# Altium PCB mantarray_beta2_sensor.PcbDoc (part 3 of 5) (continued)
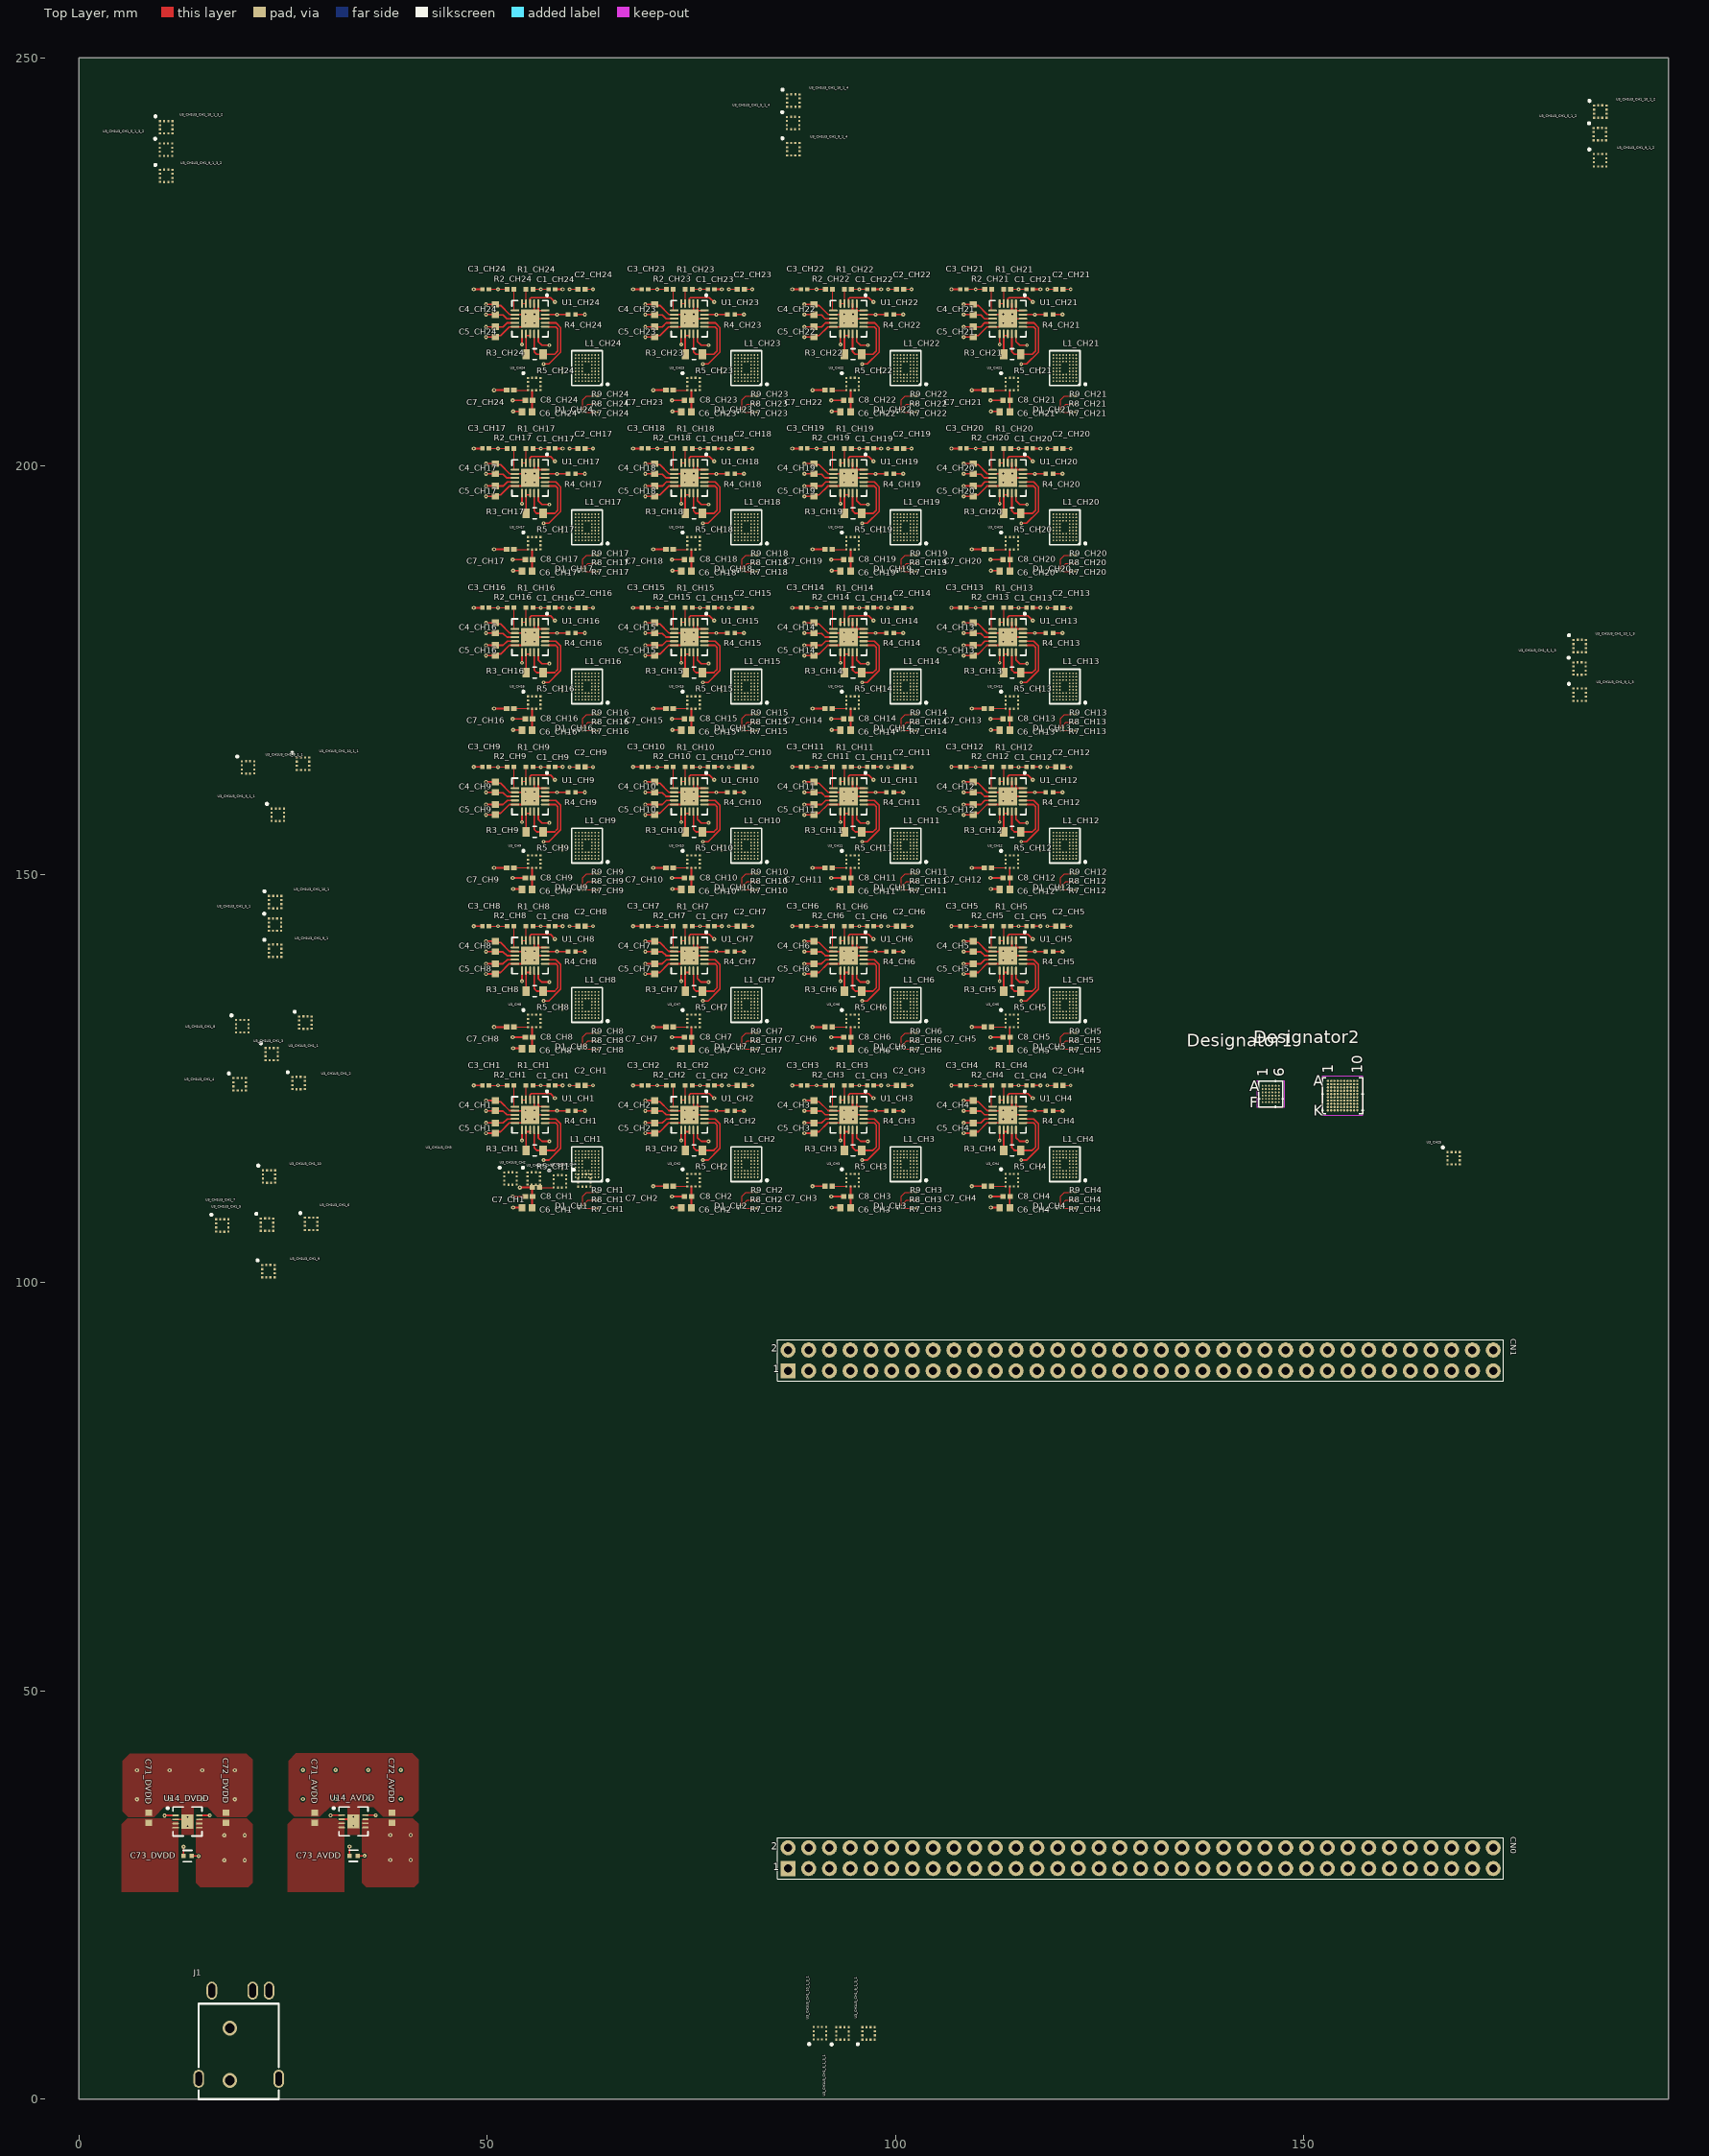
[diagram p0: Top Layer view]
## Nets (pads, with @x,y where several pads share a name; then routed paths per layer and width w, separated by ;. In a path a pad name is that pad's centre, name@x,y a point inside that pad or via, vN(x,y) a via of type N, cw(c..) or ccw(c..) an arc to the next point about the centre after c; other vN are vias at no path point) (continued)
L1_CH18.G1 L1_CH18.G2 L1_CH18.G3 L1_CH18.G4 L1_CH18.G5 L1_CH18.G6 L1_CH18.G7 L1_CH18.G8 L1_CH18.H1 L1_CH18.H2 L1_CH18.H3 L1_CH18.H4 L1_CH18.H5 L1_CH18.H6 L1_CH18.H7 L1_CH18.H8 L1_CH18.J1 L1_CH18.J2 L1_CH18.J3 L1_CH18.J4 L1_CH18.J5 L1_CH18.J6 L1_CH18.J7 L1_CH18.J8 L1_CH19.A1 L1_CH19.A2 L1_CH19.A3 L1_CH19.A4 L1_CH19.A5 L1_CH19.A6 L1_CH19.A7 L1_CH19.A8 L1_CH19.B1 L1_CH19.B2 L1_CH19.B3 L1_CH19.B4 L1_CH19.B5 L1_CH19.B6 L1_CH19.B7 L1_CH19.B8 L1_CH19.C1 L1_CH19.C2 L1_CH19.C3 L1_CH19.C4 L1_CH19.C5 L1_CH19.C6 L1_CH19.C7 L1_CH19.C8 L1_CH19.D1 L1_CH19.D2 L1_CH19.D3 L1_CH19.D6 L1_CH19.D7 L1_CH19.D8 L1_CH19.E1 L1_CH19.E2 L1_CH19.E3 L1_CH19.E6 L1_CH19.E7 L1_CH19.E8 L1_CH19.F1 L1_CH19.F2 L1_CH19.F3 L1_CH19.F6 L1_CH19.F7 L1_CH19.F8 L1_CH19.G1 L1_CH19.G2 L1_CH19.G3 L1_CH19.G4 L1_CH19.G5 L1_CH19.G6 L1_CH19.G7 L1_CH19.G8 L1_CH19.H1 L1_CH19.H2 L1_CH19.H3 L1_CH19.H4 L1_CH19.H5 L1_CH19.H6 L1_CH19.H7 L1_CH19.H8 L1_CH19.J1 L1_CH19.J2 L1_CH19.J3 L1_CH19.J4 L1_CH19.J5 L1_CH19.J6 L1_CH19.J7 L1_CH19.J8 L1_CH20.A1 L1_CH20.A2 L1_CH20.A3 L1_CH20.A4 L1_CH20.A5 L1_CH20.A6 L1_CH20.A7 L1_CH20.A8 L1_CH20.B1 L1_CH20.B2 L1_CH20.B3 L1_CH20.B4 L1_CH20.B5 L1_CH20.B6 L1_CH20.B7 L1_CH20.B8 L1_CH20.C1 L1_CH20.C2 L1_CH20.C3 L1_CH20.C4 L1_CH20.C5 L1_CH20.C6 L1_CH20.C7 L1_CH20.C8 L1_CH20.D1 L1_CH20.D2 L1_CH20.D3 L1_CH20.D6 L1_CH20.D7 L1_CH20.D8 L1_CH20.E1 L1_CH20.E2 L1_CH20.E3 L1_CH20.E6 L1_CH20.E7 L1_CH20.E8 L1_CH20.F1 L1_CH20.F2 L1_CH20.F3 L1_CH20.F6 L1_CH20.F7 L1_CH20.F8 L1_CH20.G1 L1_CH20.G2 L1_CH20.G3 L1_CH20.G4 L1_CH20.G5 L1_CH20.G6 L1_CH20.G7 L1_CH20.G8 L1_CH20.H1 L1_CH20.H2 L1_CH20.H3 L1_CH20.H4 L1_CH20.H5 L1_CH20.H6 L1_CH20.H7 L1_CH20.H8 L1_CH20.J1 L1_CH20.J2 L1_CH20.J3 L1_CH20.J4 L1_CH20.J5 L1_CH20.J6 L1_CH20.J7 L1_CH20.J8 L1_CH21.A1 L1_CH21.A2 L1_CH21.A3 L1_CH21.A4 L1_CH21.A5 L1_CH21.A6 L1_CH21.A7 L1_CH21.A8 L1_CH21.B1 L1_CH21.B2 L1_CH21.B3 L1_CH21.B4 L1_CH21.B5 L1_CH21.B6 L1_CH21.B7 L1_CH21.B8 L1_CH21.C1 L1_CH21.C2 L1_CH21.C3 L1_CH21.C4 L1_CH21.C5 L1_CH21.C6 L1_CH21.C7 L1_CH21.C8 L1_CH21.D1 L1_CH21.D2 L1_CH21.D3 L1_CH21.D6 L1_CH21.D7 L1_CH21.D8 L1_CH21.E1 L1_CH21.E2 L1_CH21.E3 L1_CH21.E6 L1_CH21.E7 L1_CH21.E8 L1_CH21.F1 L1_CH21.F2 L1_CH21.F3 L1_CH21.F6 L1_CH21.F7 L1_CH21.F8 L1_CH21.G1 L1_CH21.G2 L1_CH21.G3 L1_CH21.G4 L1_CH21.G5 L1_CH21.G6 L1_CH21.G7 L1_CH21.G8 L1_CH21.H1 L1_CH21.H2 L1_CH21.H3 L1_CH21.H4 L1_CH21.H5 L1_CH21.H6 L1_CH21.H7 L1_CH21.H8 L1_CH21.J1 L1_CH21.J2 L1_CH21.J3 L1_CH21.J4 L1_CH21.J5 L1_CH21.J6 L1_CH21.J7 L1_CH21.J8 L1_CH22.A1 L1_CH22.A2 L1_CH22.A3 L1_CH22.A4 L1_CH22.A5 L1_CH22.A6 L1_CH22.A7 L1_CH22.A8 L1_CH22.B1 L1_CH22.B2 L1_CH22.B3 L1_CH22.B4 L1_CH22.B5 L1_CH22.B6 L1_CH22.B7 L1_CH22.B8 L1_CH22.C1 L1_CH22.C2 L1_CH22.C3 L1_CH22.C4 L1_CH22.C5 L1_CH22.C6 L1_CH22.C7 L1_CH22.C8 L1_CH22.D1 L1_CH22.D2 L1_CH22.D3 L1_CH22.D6 L1_CH22.D7 L1_CH22.D8 L1_CH22.E1 L1_CH22.E2 L1_CH22.E3 L1_CH22.E6 L1_CH22.E7 L1_CH22.E8 L1_CH22.F1 L1_CH22.F2 L1_CH22.F3 L1_CH22.F6 L1_CH22.F7 L1_CH22.F8 L1_CH22.G1 L1_CH22.G2 L1_CH22.G3 L1_CH22.G4 L1_CH22.G5 L1_CH22.G6 L1_CH22.G7 L1_CH22.G8 L1_CH22.H1 L1_CH22.H2 L1_CH22.H3 L1_CH22.H4 L1_CH22.H5 L1_CH22.H6 L1_CH22.H7 L1_CH22.H8 L1_CH22.J1 L1_CH22.J2 L1_CH22.J3 L1_CH22.J4 L1_CH22.J5 L1_CH22.J6 L1_CH22.J7 L1_CH22.J8 L1_CH23.A1 L1_CH23.A2 L1_CH23.A3 L1_CH23.A4 L1_CH23.A5 L1_CH23.A6 L1_CH23.A7 L1_CH23.A8 L1_CH23.B1 L1_CH23.B2 L1_CH23.B3 L1_CH23.B4 L1_CH23.B5 L1_CH23.B6 L1_CH23.B7 L1_CH23.B8 L1_CH23.C1 L1_CH23.C2 L1_CH23.C3 L1_CH23.C4 L1_CH23.C5 L1_CH23.C6 L1_CH23.C7 L1_CH23.C8 L1_CH23.D1 L1_CH23.D2 L1_CH23.D3 L1_CH23.D6 L1_CH23.D7 L1_CH23.D8 L1_CH23.E1 L1_CH23.E2 L1_CH23.E3 L1_CH23.E6 L1_CH23.E7 L1_CH23.E8 L1_CH23.F1 L1_CH23.F2 L1_CH23.F3 L1_CH23.F6 L1_CH23.F7 L1_CH23.F8 L1_CH23.G1 L1_CH23.G2 L1_CH23.G3 L1_CH23.G4 L1_CH23.G5 L1_CH23.G6 L1_CH23.G7 L1_CH23.G8 L1_CH23.H1 L1_CH23.H2 L1_CH23.H3 L1_CH23.H4 L1_CH23.H5 L1_CH23.H6 L1_CH23.H7 L1_CH23.H8 L1_CH23.J1 L1_CH23.J2 L1_CH23.J3 L1_CH23.J4 L1_CH23.J5 L1_CH23.J6 L1_CH23.J7 L1_CH23.J8 L1_CH24.A1 L1_CH24.A2 L1_CH24.A3 L1_CH24.A4 L1_CH24.A5 L1_CH24.A6 L1_CH24.A7 L1_CH24.A8 L1_CH24.B1 L1_CH24.B2 L1_CH24.B3 L1_CH24.B4 L1_CH24.B5 L1_CH24.B6 L1_CH24.B7 L1_CH24.B8 L1_CH24.C1 L1_CH24.C2 L1_CH24.C3 L1_CH24.C4 L1_CH24.C5 L1_CH24.C6 L1_CH24.C7 L1_CH24.C8 L1_CH24.D1 L1_CH24.D2 L1_CH24.D3 L1_CH24.D6 L1_CH24.D7 L1_CH24.D8 L1_CH24.E1 L1_CH24.E2 L1_CH24.E3 L1_CH24.E6 L1_CH24.E7 L1_CH24.E8 L1_CH24.F1 L1_CH24.F2 L1_CH24.F3 L1_CH24.F6 L1_CH24.F7 L1_CH24.F8 L1_CH24.G1 L1_CH24.G2 L1_CH24.G3 L1_CH24.G4 L1_CH24.G5 L1_CH24.G6 L1_CH24.G7 L1_CH24.G8 L1_CH24.H1 L1_CH24.H2 L1_CH24.H3 L1_CH24.H4 L1_CH24.H5 L1_CH24.H6 L1_CH24.H7 L1_CH24.H8 L1_CH24.J1 L1_CH24.J2 L1_CH24.J3 L1_CH24.J4 L1_CH24.J5 L1_CH24.J6 L1_CH24.J7 L1_CH24.J8 R1_CH1.1 R1_CH1.2 R1_CH2.1 R1_CH2.2 R1_CH3.1 R1_CH3.2 R1_CH4.1 R1_CH4.2 R1_CH5.1 R1_CH5.2 R1_CH6.1 R1_CH6.2 R1_CH7.1 R1_CH7.2 R1_CH8.1 R1_CH8.2 R1_CH9.1 R1_CH9.2 R1_CH10.1 R1_CH10.2 R1_CH11.1 R1_CH11.2 R1_CH12.1 R1_CH12.2 R1_CH13.1 R1_CH13.2 R1_CH14.1 R1_CH14.2 R1_CH15.1 R1_CH15.2 R1_CH16.1 R1_CH16.2 R1_CH17.1 R1_CH17.2 R1_CH18.1 R1_CH18.2 R1_CH19.1 R1_CH19.2 R1_CH20.1 R1_CH20.2 R1_CH21.1 R1_CH21.2 R1_CH22.1 R1_CH22.2 R1_CH23.1 R1_CH23.2 R1_CH24.1 R1_CH24.2 R2_CH1.1 R2_CH1.2 R2_CH2.1 R2_CH2.2 R2_CH3.1 R2_CH3.2 R2_CH4.1 R2_CH4.2 R2_CH5.1 R2_CH5.2 R2_CH6.1 R2_CH6.2 R2_CH7.1 R2_CH7.2 R2_CH8.1 R2_CH8.2 R2_CH9.1 R2_CH9.2 R2_CH10.1 R2_CH10.2 R2_CH11.1 R2_CH11.2 R2_CH12.1 R2_CH12.2 R2_CH13.1 R2_CH13.2 R2_CH14.1 R2_CH14.2 R2_CH15.1 R2_CH15.2 R2_CH16.1 R2_CH16.2 R2_CH17.1 R2_CH17.2 R2_CH18.1 R2_CH18.2 R2_CH19.1 R2_CH19.2 R2_CH20.1 R2_CH20.2 R2_CH21.1 R2_CH21.2 R2_CH22.1 R2_CH22.2 R2_CH23.1 R2_CH23.2 R2_CH24.1 R2_CH24.2 R3_CH1.1 R3_CH1.2 R3_CH2.1 R3_CH2.2 R3_CH3.1 R3_CH3.2 R3_CH4.1 R3_CH4.2 R3_CH5.1 R3_CH5.2 R3_CH6.1 R3_CH6.2 R3_CH7.1 R3_CH7.2 R3_CH8.1 R3_CH8.2 R3_CH9.1 R3_CH9.2 R3_CH10.1 R3_CH10.2 R3_CH11.1 R3_CH11.2 R3_CH12.1 R3_CH12.2 R3_CH13.1 R3_CH13.2 R3_CH14.1 R3_CH14.2 R3_CH15.1 R3_CH15.2 R3_CH16.1 R3_CH16.2 R3_CH17.1 R3_CH17.2 R3_CH18.1 R3_CH18.2 R3_CH19.1 R3_CH19.2 R3_CH20.1 R3_CH20.2 R3_CH21.1 R3_CH21.2 R3_CH22.1 R3_CH22.2 R3_CH23.1 R3_CH23.2 R3_CH24.1 R3_CH24.2 R4_CH1.1 R4_CH1.2 R4_CH2.1 R4_CH2.2 R4_CH3.1 R4_CH3.2 R4_CH4.1 R4_CH4.2 R4_CH5.1 R4_CH5.2 R4_CH6.1 R4_CH6.2 R4_CH7.1 R4_CH7.2 R4_CH8.1 R4_CH8.2 R4_CH9.1 R4_CH9.2 R4_CH10.1 R4_CH10.2 R4_CH11.1 R4_CH11.2 R4_CH12.1 R4_CH12.2 R4_CH13.1 R4_CH13.2 R4_CH14.1 R4_CH14.2 R4_CH15.1 R4_CH15.2 R4_CH16.1 R4_CH16.2 R4_CH17.1 R4_CH17.2 R4_CH18.1 R4_CH18.2 R4_CH19.1 R4_CH19.2 R4_CH20.1 R4_CH20.2 R4_CH21.1 R4_CH21.2 R4_CH22.1 R4_CH22.2 R4_CH23.1 R4_CH23.2 R4_CH24.1 R4_CH24.2 R5_CH1.1 R5_CH1.2 R5_CH2.1 R5_CH2.2 R5_CH3.1 R5_CH3.2 R5_CH4.1 R5_CH4.2 R5_CH5.1 R5_CH5.2 R5_CH6.1 R5_CH6.2 R5_CH7.1 R5_CH7.2 R5_CH8.1 R5_CH8.2 R5_CH9.1 R5_CH9.2 R5_CH10.1 R5_CH10.2 R5_CH11.1 R5_CH11.2 R5_CH12.1 R5_CH12.2 R5_CH13.1 R5_CH13.2 R5_CH14.1 R5_CH14.2 R5_CH15.1 R5_CH15.2 R5_CH16.1 R5_CH16.2 R5_CH17.1 R5_CH17.2 R5_CH18.1 R5_CH18.2 R5_CH19.1 R5_CH19.2 R5_CH20.1 R5_CH20.2 R5_CH21.1 R5_CH21.2 R5_CH22.1 R5_CH22.2 R5_CH23.1 R5_CH23.2 R5_CH24.1 R5_CH24.2 R7_CH1.1 R7_CH1.2 R7_CH2.1 R7_CH2.2 R7_CH3.1 R7_CH3.2 R7_CH4.1 R7_CH4.2 R7_CH5.1 R7_CH5.2 R7_CH6.1 R7_CH6.2 R7_CH7.1 R7_CH7.2 R7_CH8.1 R7_CH8.2 R7_CH9.1 R7_CH9.2 R7_CH10.1 R7_CH10.2 R7_CH11.1 R7_CH11.2 R7_CH12.1 R7_CH12.2 R7_CH13.1 R7_CH13.2 R7_CH14.1 R7_CH14.2 R7_CH15.1 R7_CH15.2 R7_CH16.1 R7_CH16.2 R7_CH17.1 R7_CH17.2 R7_CH18.1 R7_CH18.2 R7_CH19.1 R7_CH19.2 R7_CH20.1 R7_CH20.2 R7_CH21.1 R7_CH21.2 R7_CH22.1 R7_CH22.2 R7_CH23.1 R7_CH23.2 R7_CH24.1 R7_CH24.2 R8_CH1.1 R8_CH1.2 R8_CH2.1 R8_CH2.2 R8_CH3.1 R8_CH3.2 R8_CH4.1 R8_CH4.2 R8_CH5.1 R8_CH5.2 R8_CH6.1 R8_CH6.2 R8_CH7.1 R8_CH7.2 R8_CH8.1 R8_CH8.2 R8_CH9.1 R8_CH9.2 R8_CH10.1 R8_CH10.2 R8_CH11.1 R8_CH11.2 R8_CH12.1 R8_CH12.2 R8_CH13.1 R8_CH13.2 R8_CH14.1 R8_CH14.2 R8_CH15.1 R8_CH15.2 R8_CH16.1 R8_CH16.2 R8_CH17.1 R8_CH17.2 R8_CH18.1 R8_CH18.2 R8_CH19.1 R8_CH19.2 R8_CH20.1 R8_CH20.2 R8_CH21.1 R8_CH21.2 R8_CH22.1 R8_CH22.2 R8_CH23.1 R8_CH23.2 R8_CH24.1 R8_CH24.2 R9_CH1.1 R9_CH1.2 R9_CH2.1 R9_CH2.2 R9_CH3.1 R9_CH3.2 R9_CH4.1 R9_CH4.2 R9_CH5.1 R9_CH5.2 R9_CH6.1 R9_CH6.2 R9_CH7.1 R9_CH7.2 R9_CH8.1 R9_CH8.2 R9_CH9.1 R9_CH9.2 R9_CH10.1 R9_CH10.2 R9_CH11.1 R9_CH11.2 R9_CH12.1 R9_CH12.2 R9_CH13.1 R9_CH13.2 R9_CH14.1 R9_CH14.2 R9_CH15.1 R9_CH15.2 R9_CH16.1 R9_CH16.2 R9_CH17.1 R9_CH17.2 R9_CH18.1 R9_CH18.2 R9_CH19.1 R9_CH19.2 R9_CH20.1 R9_CH20.2 R9_CH21.1 R9_CH21.2 R9_CH22.1 R9_CH22.2 R9_CH23.1 R9_CH23.2 R9_CH24.1 R9_CH24.2 U1_CH1.1 U1_CH1.2 U1_CH1.3 U1_CH1.4 U1_CH1.5 U1_CH1.6 U1_CH1.7 U1_CH1.8 U1_CH1.9 U1_CH1.10 U1_CH1.11 U1_CH1.12 U1_CH1.13 U1_CH1.14 U1_CH1.15 U1_CH1.16 U1_CH1.17 U1_CH1.18 U1_CH1.19 U1_CH1.20 U1_CH1.21 U1_CH2.1 U1_CH2.2 U1_CH2.3 U1_CH2.4 U1_CH2.5 U1_CH2.6 U1_CH2.7 U1_CH2.8 U1_CH2.9 U1_CH2.10 U1_CH2.11 U1_CH2.12 U1_CH2.13 U1_CH2.14 U1_CH2.15 U1_CH2.16 U1_CH2.17 U1_CH2.18 U1_CH2.19 U1_CH2.20 U1_CH2.21 U1_CH3.1 U1_CH3.2 U1_CH3.3 U1_CH3.4 U1_CH3.5 U1_CH3.6 U1_CH3.7 U1_CH3.8 U1_CH3.9 U1_CH3.10 U1_CH3.11 U1_CH3.12 U1_CH3.13 U1_CH3.14 U1_CH3.15 U1_CH3.16 U1_CH3.17 U1_CH3.18 U1_CH3.19 U1_CH3.20 U1_CH3.21 U1_CH4.1 U1_CH4.2 U1_CH4.3 U1_CH4.4 U1_CH4.5 U1_CH4.6 U1_CH4.7 U1_CH4.8 U1_CH4.9 U1_CH4.10 U1_CH4.11 U1_CH4.12 U1_CH4.13 U1_CH4.14 U1_CH4.15 U1_CH4.16 U1_CH4.17 U1_CH4.18 U1_CH4.19 U1_CH4.20 U1_CH4.21 U1_CH5.1 U1_CH5.2 U1_CH5.3 U1_CH5.4 U1_CH5.5 U1_CH5.6 U1_CH5.7 U1_CH5.8 U1_CH5.9 U1_CH5.10 U1_CH5.11 U1_CH5.12 U1_CH5.13 U1_CH5.14 U1_CH5.15 U1_CH5.16 U1_CH5.17 U1_CH5.18 U1_CH5.19 U1_CH5.20 U1_CH5.21 U1_CH6.1 U1_CH6.2 U1_CH6.3 U1_CH6.4 U1_CH6.5 U1_CH6.6 U1_CH6.7 U1_CH6.8 U1_CH6.9 U1_CH6.10 U1_CH6.11 U1_CH6.12 U1_CH6.13 U1_CH6.14 U1_CH6.15 U1_CH6.16 U1_CH6.17 U1_CH6.18 U1_CH6.19 U1_CH6.20 U1_CH6.21 U1_CH7.1 U1_CH7.2 U1_CH7.3 U1_CH7.4 U1_CH7.5 U1_CH7.6 U1_CH7.7 U1_CH7.8 U1_CH7.9 U1_CH7.10 U1_CH7.11 U1_CH7.12 U1_CH7.13 U1_CH7.14 U1_CH7.15 U1_CH7.16 U1_CH7.17 U1_CH7.18 U1_CH7.19 U1_CH7.20 U1_CH7.21 U1_CH8.1 U1_CH8.2 U1_CH8.3 U1_CH8.4 U1_CH8.5 U1_CH8.6 U1_CH8.7 U1_CH8.8 U1_CH8.9 U1_CH8.10 U1_CH8.11 U1_CH8.12 U1_CH8.13 U1_CH8.14 U1_CH8.15 U1_CH8.16 U1_CH8.17 U1_CH8.18 U1_CH8.19 U1_CH8.20 U1_CH8.21 U1_CH9.1 U1_CH9.2 U1_CH9.3 U1_CH9.4 U1_CH9.5 U1_CH9.6 U1_CH9.7 U1_CH9.8 U1_CH9.9 U1_CH9.10 U1_CH9.11 U1_CH9.12 U1_CH9.13 U1_CH9.14 U1_CH9.15 U1_CH9.16 U1_CH9.17 U1_CH9.18 U1_CH9.19 U1_CH9.20 U1_CH9.21 U1_CH10.1 U1_CH10.2 U1_CH10.3 U1_CH10.4 U1_CH10.5 U1_CH10.6 U1_CH10.7 U1_CH10.8 U1_CH10.9 U1_CH10.10 U1_CH10.11 U1_CH10.12 U1_CH10.13 U1_CH10.14 U1_CH10.15 U1_CH10.16 U1_CH10.17 U1_CH10.18 U1_CH10.19 U1_CH10.20 U1_CH10.21 U1_CH11.1 U1_CH11.2 U1_CH11.3 U1_CH11.4 U1_CH11.5 U1_CH11.6 U1_CH11.7 U1_CH11.8 U1_CH11.9 U1_CH11.10 U1_CH11.11 U1_CH11.12 U1_CH11.13 U1_CH11.14 U1_CH11.15 U1_CH11.16 U1_CH11.17 U1_CH11.18 U1_CH11.19 U1_CH11.20 U1_CH11.21 U1_CH12.1 U1_CH12.2 U1_CH12.3 U1_CH12.4 U1_CH12.5 U1_CH12.6 U1_CH12.7 U1_CH12.8 U1_CH12.9 U1_CH12.10 U1_CH12.11 U1_CH12.12 U1_CH12.13 U1_CH12.14 U1_CH12.15 U1_CH12.16 U1_CH12.17 U1_CH12.18 U1_CH12.19 U1_CH12.20 U1_CH12.21 U1_CH13.1 U1_CH13.2 U1_CH13.3 U1_CH13.4 U1_CH13.5 U1_CH13.6 U1_CH13.7 U1_CH13.8 U1_CH13.9 U1_CH13.10 U1_CH13.11 U1_CH13.12 U1_CH13.13 U1_CH13.14 U1_CH13.15 U1_CH13.16 U1_CH13.17 U1_CH13.18 U1_CH13.19 U1_CH13.20 U1_CH13.21 U1_CH14.1 U1_CH14.2 U1_CH14.3 U1_CH14.4 U1_CH14.5 U1_CH14.6 U1_CH14.7 U1_CH14.8 U1_CH14.9 U1_CH14.10 U1_CH14.11 U1_CH14.12 U1_CH14.13 U1_CH14.14 U1_CH14.15 U1_CH14.16 U1_CH14.17 U1_CH14.18 U1_CH14.19 U1_CH14.20 U1_CH14.21 U1_CH15.1 U1_CH15.2 U1_CH15.3 U1_CH15.4 U1_CH15.5 U1_CH15.6 U1_CH15.7 U1_CH15.8 U1_CH15.9 U1_CH15.10 U1_CH15.11 U1_CH15.12 U1_CH15.13 U1_CH15.14 U1_CH15.15 U1_CH15.16 U1_CH15.17 U1_CH15.18 U1_CH15.19 U1_CH15.20 U1_CH15.21 U1_CH16.1 U1_CH16.2 U1_CH16.3 U1_CH16.4 U1_CH16.5 U1_CH16.6 U1_CH16.7 U1_CH16.8 U1_CH16.9 U1_CH16.10 U1_CH16.11 U1_CH16.12 U1_CH16.13 U1_CH16.14 U1_CH16.15 U1_CH16.16 U1_CH16.17 U1_CH16.18 U1_CH16.19 U1_CH16.20 U1_CH16.21 U1_CH17.1 U1_CH17.2 U1_CH17.3 U1_CH17.4 U1_CH17.5 U1_CH17.6 U1_CH17.7 U1_CH17.8 U1_CH17.9 U1_CH17.10 U1_CH17.11 U1_CH17.12 U1_CH17.13 U1_CH17.14 U1_CH17.15 U1_CH17.16 U1_CH17.17 U1_CH17.18 U1_CH17.19 U1_CH17.20 U1_CH17.21 U1_CH18.1 U1_CH18.2 U1_CH18.3 U1_CH18.4 U1_CH18.5 U1_CH18.6 U1_CH18.7 U1_CH18.8 U1_CH18.9 U1_CH18.10 U1_CH18.11 U1_CH18.12 U1_CH18.13 U1_CH18.14 U1_CH18.15 U1_CH18.16 U1_CH18.17 U1_CH18.18 U1_CH18.19 U1_CH18.20 U1_CH18.21 U1_CH19.1 U1_CH19.2 U1_CH19.3 U1_CH19.4 U1_CH19.5 U1_CH19.6 U1_CH19.7 U1_CH19.8 U1_CH19.9 U1_CH19.10 U1_CH19.11 U1_CH19.12 U1_CH19.13 U1_CH19.14 U1_CH19.15 U1_CH19.16 U1_CH19.17 U1_CH19.18 U1_CH19.19 U1_CH19.20 U1_CH19.21 U1_CH20.1 U1_CH20.2 U1_CH20.3 U1_CH20.4 U1_CH20.5 U1_CH20.6 U1_CH20.7 U1_CH20.8 U1_CH20.9 U1_CH20.10 U1_CH20.11 U1_CH20.12 U1_CH20.13 U1_CH20.14 U1_CH20.15 U1_CH20.16 U1_CH20.17 U1_CH20.18 U1_CH20.19 U1_CH20.20 U1_CH20.21 U1_CH21.1 U1_CH21.2 U1_CH21.3 U1_CH21.4 U1_CH21.5 U1_CH21.6 U1_CH21.7 U1_CH21.8 U1_CH21.9 U1_CH21.10 U1_CH21.11 U1_CH21.12 U1_CH21.13 U1_CH21.14 U1_CH21.15 U1_CH21.16 U1_CH21.17 U1_CH21.18 U1_CH21.19 U1_CH21.20 U1_CH21.21 U1_CH22.1 U1_CH22.2 U1_CH22.3 U1_CH22.4 U1_CH22.5 U1_CH22.6 U1_CH22.7 U1_CH22.8 U1_CH22.9 U1_CH22.10 U1_CH22.11 U1_CH22.12 U1_CH22.13 U1_CH22.14 U1_CH22.15 U1_CH22.16 U1_CH22.17 U1_CH22.18 U1_CH22.19 U1_CH22.20 U1_CH22.21 U1_CH23.1 U1_CH23.2 U1_CH23.3 U1_CH23.4 U1_CH23.5 U1_CH23.6 U1_CH23.7 U1_CH23.8 U1_CH23.9 U1_CH23.10 U1_CH23.11 U1_CH23.12 U1_CH23.13 U1_CH23.14 U1_CH23.15 U1_CH23.16 U1_CH23.17 U1_CH23.18 U1_CH23.19 U1_CH23.20 U1_CH23.21 U1_CH24.1 U1_CH24.2 U1_CH24.3 U1_CH24.4 U1_CH24.5 U1_CH24.6 U1_CH24.7 U1_CH24.8 U1_CH24.9 U1_CH24.10 U1_CH24.11 U1_CH24.12 U1_CH24.13 U1_CH24.14 U1_CH24.15 U1_CH24.16 U1_CH24.17 U1_CH24.18 U1_CH24.19 U1_CH24.20 U1_CH24.21 U3_CH1U3_CH1.1 U3_CH1U3_CH1.2 U3_CH1U3_CH1.3 U3_CH1U3_CH1.4 U3_CH1U3_CH1.5 U3_CH1U3_CH1.6 U3_CH1U3_CH1.7 U3_CH1U3_CH1.8 U3_CH1U3_CH1.9 U3_CH1U3_CH1.10 U3_CH1U3_CH1.11 U3_CH1U3_CH1.12 U3_CH1U3_CH1_1.1 U3_CH1U3_CH1_1.2 U3_CH1U3_CH1_1.3 U3_CH1U3_CH1_1.4 U3_CH1U3_CH1_1.5 U3_CH1U3_CH1_1.6 U3_CH1U3_CH1_1.7 U3_CH1U3_CH1_1.8 U3_CH1U3_CH1_1.9 U3_CH1U3_CH1_1.10 U3_CH1U3_CH1_1.11 U3_CH1U3_CH1_1.12 U3_CH1U3_CH1_2.1 U3_CH1U3_CH1_2.2 U3_CH1U3_CH1_2.3 U3_CH1U3_CH1_2.4 U3_CH1U3_CH1_2.5 U3_CH1U3_CH1_2.6 U3_CH1U3_CH1_2.7 U3_CH1U3_CH1_2.8 U3_CH1U3_CH1_2.9 U3_CH1U3_CH1_2.10 U3_CH1U3_CH1_2.11 U3_CH1U3_CH1_2.12 U3_CH1U3_CH1_3.1 U3_CH1U3_CH1_3.2 U3_CH1U3_CH1_3.3 U3_CH1U3_CH1_3.4 U3_CH1U3_CH1_3.5 U3_CH1U3_CH1_3.6 U3_CH1U3_CH1_3.7 U3_CH1U3_CH1_3.8 U3_CH1U3_CH1_3.9 U3_CH1U3_CH1_3.10 U3_CH1U3_CH1_3.11 U3_CH1U3_CH1_3.12 U3_CH1U3_CH1_4.1 U3_CH1U3_CH1_4.2 U3_CH1U3_CH1_4.3 U3_CH1U3_CH1_4.4 U3_CH1U3_CH1_4.5 U3_CH1U3_CH1_4.6 U3_CH1U3_CH1_4.7 U3_CH1U3_CH1_4.8 U3_CH1U3_CH1_4.9 U3_CH1U3_CH1_4.10 U3_CH1U3_CH1_4.11 U3_CH1U3_CH1_4.12 U3_CH1U3_CH1_5.1 U3_CH1U3_CH1_5.2 U3_CH1U3_CH1_5.3 U3_CH1U3_CH1_5.4 U3_CH1U3_CH1_5.5 U3_CH1U3_CH1_5.6 U3_CH1U3_CH1_5.7 U3_CH1U3_CH1_5.8 U3_CH1U3_CH1_5.9 U3_CH1U3_CH1_5.10 U3_CH1U3_CH1_5.11 U3_CH1U3_CH1_5.12 U3_CH1U3_CH1_5_1.1 U3_CH1U3_CH1_5_1.2 U3_CH1U3_CH1_5_1.3 U3_CH1U3_CH1_5_1.4 U3_CH1U3_CH1_5_1.5 U3_CH1U3_CH1_5_1.6 U3_CH1U3_CH1_5_1.7 U3_CH1U3_CH1_5_1.8 U3_CH1U3_CH1_5_1.9 U3_CH1U3_CH1_5_1.10 U3_CH1U3_CH1_5_1.11 U3_CH1U3_CH1_5_1.12 U3_CH1U3_CH1_5_1_1.1 U3_CH1U3_CH1_5_1_1.2 U3_CH1U3_CH1_5_1_1.3 U3_CH1U3_CH1_5_1_1.4 U3_CH1U3_CH1_5_1_1.5 U3_CH1U3_CH1_5_1_1.6 U3_CH1U3_CH1_5_1_1.7 U3_CH1U3_CH1_5_1_1.8 U3_CH1U3_CH1_5_1_1.9 U3_CH1U3_CH1_5_1_1.10 U3_CH1U3_CH1_5_1_1.11 U3_CH1U3_CH1_5_1_1.12 U3_CH1U3_CH1_5_1_2.1 U3_CH1U3_CH1_5_1_2.2 U3_CH1U3_CH1_5_1_2.3 U3_CH1U3_CH1_5_1_2.4 U3_CH1U3_CH1_5_1_2.5 U3_CH1U3_CH1_5_1_2.6 U3_CH1U3_CH1_5_1_2.7 U3_CH1U3_CH1_5_1_2.8 U3_CH1U3_CH1_5_1_2.9 U3_CH1U3_CH1_5_1_2.10 U3_CH1U3_CH1_5_1_2.11 U3_CH1U3_CH1_5_1_2.12 U3_CH1U3_CH1_5_1_3.1 U3_CH1U3_CH1_5_1_3.2 U3_CH1U3_CH1_5_1_3.3 U3_CH1U3_CH1_5_1_3.4 U3_CH1U3_CH1_5_1_3.5 U3_CH1U3_CH1_5_1_3.6 U3_CH1U3_CH1_5_1_3.7 U3_CH1U3_CH1_5_1_3.8 U3_CH1U3_CH1_5_1_3.9 U3_CH1U3_CH1_5_1_3.10 U3_CH1U3_CH1_5_1_3.11 U3_CH1U3_CH1_5_1_3.12 U3_CH1U3_CH1_5_1_3_1.1 U3_CH1U3_CH1_5_1_3_1.2 U3_CH1U3_CH1_5_1_3_1.3 U3_CH1U3_CH1_5_1_3_1.4 U3_CH1U3_CH1_5_1_3_1.5 U3_CH1U3_CH1_5_1_3_1.6 U3_CH1U3_CH1_5_1_3_1.7 U3_CH1U3_CH1_5_1_3_1.8 U3_CH1U3_CH1_5_1_3_1.9 U3_CH1U3_CH1_5_1_3_1.10 U3_CH1U3_CH1_5_1_3_1.11 U3_CH1U3_CH1_5_1_3_1.12 U3_CH1U3_CH1_5_1_3_2.1 U3_CH1U3_CH1_5_1_3_2.2 U3_CH1U3_CH1_5_1_3_2.3 U3_CH1U3_CH1_5_1_3_2.4 U3_CH1U3_CH1_5_1_3_2.5 U3_CH1U3_CH1_5_1_3_2.6 U3_CH1U3_CH1_5_1_3_2.7 U3_CH1U3_CH1_5_1_3_2.8 U3_CH1U3_CH1_5_1_3_2.9 U3_CH1U3_CH1_5_1_3_2.10 U3_CH1U3_CH1_5_1_3_2.11 U3_CH1U3_CH1_5_1_3_2.12 U3_CH1U3_CH1_5_1_4.1 U3_CH1U3_CH1_5_1_4.2 U3_CH1U3_CH1_5_1_4.3 U3_CH1U3_CH1_5_1_4.4 U3_CH1U3_CH1_5_1_4.5 U3_CH1U3_CH1_5_1_4.6 U3_CH1U3_CH1_5_1_4.7 U3_CH1U3_CH1_5_1_4.8 U3_CH1U3_CH1_5_1_4.9 U3_CH1U3_CH1_5_1_4.10 U3_CH1U3_CH1_5_1_4.11 U3_CH1U3_CH1_5_1_4.12 U3_CH1U3_CH1_6.1 U3_CH1U3_CH1_6.2 U3_CH1U3_CH1_6.3 U3_CH1U3_CH1_6.4 U3_CH1U3_CH1_6.5 U3_CH1U3_CH1_6.6 U3_CH1U3_CH1_6.7 U3_CH1U3_CH1_6.8 U3_CH1U3_CH1_6.9 U3_CH1U3_CH1_6.10 U3_CH1U3_CH1_6.11 U3_CH1U3_CH1_6.12 U3_CH1U3_CH1_7.1 U3_CH1U3_CH1_7.2 U3_CH1U3_CH1_7.3 U3_CH1U3_CH1_7.4 U3_CH1U3_CH1_7.5 U3_CH1U3_CH1_7.6 U3_CH1U3_CH1_7.7 U3_CH1U3_CH1_7.8 U3_CH1U3_CH1_7.9 U3_CH1U3_CH1_7.10 U3_CH1U3_CH1_7.11 U3_CH1U3_CH1_7.12 U3_CH1U3_CH1_8.1 U3_CH1U3_CH1_8.2 U3_CH1U3_CH1_8.3 U3_CH1U3_CH1_8.4 U3_CH1U3_CH1_8.5 U3_CH1U3_CH1_8.6 U3_CH1U3_CH1_8.7 U3_CH1U3_CH1_8.8 U3_CH1U3_CH1_8.9 U3_CH1U3_CH1_8.10 U3_CH1U3_CH1_8.11 U3_CH1U3_CH1_8.12 U3_CH1U3_CH1_9.1 U3_CH1U3_CH1_9.2 U3_CH1U3_CH1_9.3 U3_CH1U3_CH1_9.4 U3_CH1U3_CH1_9.5 U3_CH1U3_CH1_9.6 U3_CH1U3_CH1_9.7 U3_CH1U3_CH1_9.8 U3_CH1U3_CH1_9.9 U3_CH1U3_CH1_9.10 U3_CH1U3_CH1_9.11 U3_CH1U3_CH1_9.12 U3_CH1U3_CH1_9_1.1 U3_CH1U3_CH1_9_1.2 U3_CH1U3_CH1_9_1.3 U3_CH1U3_CH1_9_1.4 U3_CH1U3_CH1_9_1.5 U3_CH1U3_CH1_9_1.6 U3_CH1U3_CH1_9_1.7 U3_CH1U3_CH1_9_1.8 U3_CH1U3_CH1_9_1.9 U3_CH1U3_CH1_9_1.10 U3_CH1U3_CH1_9_1.11 U3_CH1U3_CH1_9_1.12 U3_CH1U3_CH1_9_1_1.1 U3_CH1U3_CH1_9_1_1.2 U3_CH1U3_CH1_9_1_1.3 U3_CH1U3_CH1_9_1_1.4 U3_CH1U3_CH1_9_1_1.5 U3_CH1U3_CH1_9_1_1.6 U3_CH1U3_CH1_9_1_1.7 U3_CH1U3_CH1_9_1_1.8 U3_CH1U3_CH1_9_1_1.9 U3_CH1U3_CH1_9_1_1.10 U3_CH1U3_CH1_9_1_1.11 U3_CH1U3_CH1_9_1_1.12 U3_CH1U3_CH1_9_1_2.1 U3_CH1U3_CH1_9_1_2.2 U3_CH1U3_CH1_9_1_2.3 U3_CH1U3_CH1_9_1_2.4 U3_CH1U3_CH1_9_1_2.5 U3_CH1U3_CH1_9_1_2.6 U3_CH1U3_CH1_9_1_2.7 U3_CH1U3_CH1_9_1_2.8 U3_CH1U3_CH1_9_1_2.9 U3_CH1U3_CH1_9_1_2.10 U3_CH1U3_CH1_9_1_2.11 U3_CH1U3_CH1_9_1_2.12 U3_CH1U3_CH1_9_1_3.1 U3_CH1U3_CH1_9_1_3.2 U3_CH1U3_CH1_9_1_3.3 U3_CH1U3_CH1_9_1_3.4 U3_CH1U3_CH1_9_1_3.5 U3_CH1U3_CH1_9_1_3.6 U3_CH1U3_CH1_9_1_3.7 U3_CH1U3_CH1_9_1_3.8 U3_CH1U3_CH1_9_1_3.9 U3_CH1U3_CH1_9_1_3.10 U3_CH1U3_CH1_9_1_3.11 U3_CH1U3_CH1_9_1_3.12 U3_CH1U3_CH1_9_1_3_1.1 U3_CH1U3_CH1_9_1_3_1.2 U3_CH1U3_CH1_9_1_3_1.3 U3_CH1U3_CH1_9_1_3_1.4 U3_CH1U3_CH1_9_1_3_1.5 U3_CH1U3_CH1_9_1_3_1.6 U3_CH1U3_CH1_9_1_3_1.7 U3_CH1U3_CH1_9_1_3_1.8 U3_CH1U3_CH1_9_1_3_1.9 U3_CH1U3_CH1_9_1_3_1.10 U3_CH1U3_CH1_9_1_3_1.11 U3_CH1U3_CH1_9_1_3_1.12 U3_CH1U3_CH1_9_1_3_2.1 U3_CH1U3_CH1_9_1_3_2.2 U3_CH1U3_CH1_9_1_3_2.3 U3_CH1U3_CH1_9_1_3_2.4 U3_CH1U3_CH1_9_1_3_2.5 U3_CH1U3_CH1_9_1_3_2.6 U3_CH1U3_CH1_9_1_3_2.7 U3_CH1U3_CH1_9_1_3_2.8 U3_CH1U3_CH1_9_1_3_2.9 U3_CH1U3_CH1_9_1_3_2.10 U3_CH1U3_CH1_9_1_3_2.11 U3_CH1U3_CH1_9_1_3_2.12 U3_CH1U3_CH1_9_1_4.1 U3_CH1U3_CH1_9_1_4.2 U3_CH1U3_CH1_9_1_4.3 U3_CH1U3_CH1_9_1_4.4 U3_CH1U3_CH1_9_1_4.5 U3_CH1U3_CH1_9_1_4.6 U3_CH1U3_CH1_9_1_4.7 U3_CH1U3_CH1_9_1_4.8 U3_CH1U3_CH1_9_1_4.9 U3_CH1U3_CH1_9_1_4.10 U3_CH1U3_CH1_9_1_4.11 U3_CH1U3_CH1_9_1_4.12 U3_CH1U3_CH1_10.1 U3_CH1U3_CH1_10.2 U3_CH1U3_CH1_10.3 U3_CH1U3_CH1_10.4 U3_CH1U3_CH1_10.5 U3_CH1U3_CH1_10.6 U3_CH1U3_CH1_10.7 U3_CH1U3_CH1_10.8 U3_CH1U3_CH1_10.9 U3_CH1U3_CH1_10.10 U3_CH1U3_CH1_10.11 U3_CH1U3_CH1_10.12 U3_CH1U3_CH1_10_1.1 U3_CH1U3_CH1_10_1.2 U3_CH1U3_CH1_10_1.3 U3_CH1U3_CH1_10_1.4 U3_CH1U3_CH1_10_1.5 U3_CH1U3_CH1_10_1.6 U3_CH1U3_CH1_10_1.7 U3_CH1U3_CH1_10_1.8 U3_CH1U3_CH1_10_1.9 U3_CH1U3_CH1_10_1.10 U3_CH1U3_CH1_10_1.11 U3_CH1U3_CH1_10_1.12 U3_CH1U3_CH1_10_1_1.1 U3_CH1U3_CH1_10_1_1.2 U3_CH1U3_CH1_10_1_1.3 U3_CH1U3_CH1_10_1_1.4 U3_CH1U3_CH1_10_1_1.5 U3_CH1U3_CH1_10_1_1.6 U3_CH1U3_CH1_10_1_1.7 U3_CH1U3_CH1_10_1_1.8 U3_CH1U3_CH1_10_1_1.9 U3_CH1U3_CH1_10_1_1.10 U3_CH1U3_CH1_10_1_1.11 U3_CH1U3_CH1_10_1_1.12 U3_CH1U3_CH1_10_1_2.1 U3_CH1U3_CH1_10_1_2.2 U3_CH1U3_CH1_10_1_2.3 U3_CH1U3_CH1_10_1_2.4 U3_CH1U3_CH1_10_1_2.5 U3_CH1U3_CH1_10_1_2.6 U3_CH1U3_CH1_10_1_2.7 U3_CH1U3_CH1_10_1_2.8 U3_CH1U3_CH1_10_1_2.9 U3_CH1U3_CH1_10_1_2.10 U3_CH1U3_CH1_10_1_2.11 U3_CH1U3_CH1_10_1_2.12 U3_CH1U3_CH1_10_1_3.1 U3_CH1U3_CH1_10_1_3.2 U3_CH1U3_CH1_10_1_3.3 U3_CH1U3_CH1_10_1_3.4 U3_CH1U3_CH1_10_1_3.5 U3_CH1U3_CH1_10_1_3.6 U3_CH1U3_CH1_10_1_3.7 U3_CH1U3_CH1_10_1_3.8 U3_CH1U3_CH1_10_1_3.9 U3_CH1U3_CH1_10_1_3.10 U3_CH1U3_CH1_10_1_3.11 U3_CH1U3_CH1_10_1_3.12 U3_CH1U3_CH1_10_1_3_1.1 U3_CH1U3_CH1_10_1_3_1.2 U3_CH1U3_CH1_10_1_3_1.3 U3_CH1U3_CH1_10_1_3_1.4 U3_CH1U3_CH1_10_1_3_1.5 U3_CH1U3_CH1_10_1_3_1.6 U3_CH1U3_CH1_10_1_3_1.7 U3_CH1U3_CH1_10_1_3_1.8 U3_CH1U3_CH1_10_1_3_1.9 U3_CH1U3_CH1_10_1_3_1.10 U3_CH1U3_CH1_10_1_3_1.11 U3_CH1U3_CH1_10_1_3_1.12 U3_CH1U3_CH1_10_1_3_2.1 U3_CH1U3_CH1_10_1_3_2.2 U3_CH1U3_CH1_10_1_3_2.3 U3_CH1U3_CH1_10_1_3_2.4 U3_CH1U3_CH1_10_1_3_2.5 U3_CH1U3_CH1_10_1_3_2.6 U3_CH1U3_CH1_10_1_3_2.7 U3_CH1U3_CH1_10_1_3_2.8 U3_CH1U3_CH1_10_1_3_2.9 U3_CH1U3_CH1_10_1_3_2.10 U3_CH1U3_CH1_10_1_3_2.11 U3_CH1U3_CH1_10_1_3_2.12 U3_CH1U3_CH1_10_1_4.1 U3_CH1U3_CH1_10_1_4.2 U3_CH1U3_CH1_10_1_4.3 U3_CH1U3_CH1_10_1_4.4 U3_CH1U3_CH1_10_1_4.5 U3_CH1U3_CH1_10_1_4.6 U3_CH1U3_CH1_10_1_4.7 U3_CH1U3_CH1_10_1_4.8 U3_CH1U3_CH1_10_1_4.9 U3_CH1U3_CH1_10_1_4.10 U3_CH1U3_CH1_10_1_4.11 U3_CH1U3_CH1_10_1_4.12 U3_CH1U3_CH2.1 U3_CH1U3_CH2.2 U3_CH1U3_CH2.3 U3_CH1U3_CH2.4 U3_CH1U3_CH2.5 U3_CH1U3_CH2.6 U3_CH1U3_CH2.7 U3_CH1U3_CH2.8 U3_CH1U3_CH2.9 U3_CH1U3_CH2.10 U3_CH1U3_CH2.11 U3_CH1U3_CH2.12 U3_CH1U3_CH3.1 U3_CH1U3_CH3.2 U3_CH1U3_CH3.3 U3_CH1U3_CH3.4 U3_CH1U3_CH3.5 U3_CH1U3_CH3.6 U3_CH1U3_CH3.7 U3_CH1U3_CH3.8 U3_CH1U3_CH3.9 U3_CH1U3_CH3.10 U3_CH1U3_CH3.11 U3_CH1U3_CH3.12 U3_CH1U3_CH4.1 U3_CH1U3_CH4.2 U3_CH1U3_CH4.3 U3_CH1U3_CH4.4 U3_CH1U3_CH4.5 U3_CH1U3_CH4.6 U3_CH1U3_CH4.7 U3_CH1U3_CH4.8 U3_CH1U3_CH4.9 U3_CH1U3_CH4.10 U3_CH1U3_CH4.11 U3_CH1U3_CH4.12 U3_CH2.1 U3_CH2.2 U3_CH2.3 U3_CH2.4 U3_CH2.5 U3_CH2.6 U3_CH2.7 U3_CH2.8 U3_CH2.9 U3_CH2.10 U3_CH2.11 U3_CH2.12 U3_CH3.1 U3_CH3.2 U3_CH3.3 U3_CH3.4 U3_CH3.5 U3_CH3.6 U3_CH3.7 U3_CH3.8 U3_CH3.9 U3_CH3.10 U3_CH3.11 U3_CH3.12 U3_CH4.1 U3_CH4.2 U3_CH4.3 U3_CH4.4 U3_CH4.5 U3_CH4.6 U3_CH4.7 U3_CH4.8 U3_CH4.9 U3_CH4.10 U3_CH4.11 U3_CH4.12 U3_CH5.1 U3_CH5.2 U3_CH5.3 U3_CH5.4 U3_CH5.5 U3_CH5.6 U3_CH5.7 U3_CH5.8 U3_CH5.9 U3_CH5.10 U3_CH5.11 U3_CH5.12 U3_CH6.1 U3_CH6.2 U3_CH6.3 U3_CH6.4 U3_CH6.5 U3_CH6.6 U3_CH6.7 U3_CH6.8 U3_CH6.9 U3_CH6.10 U3_CH6.11 U3_CH6.12 U3_CH7.1 U3_CH7.2 U3_CH7.3 U3_CH7.4 U3_CH7.5 U3_CH7.6 U3_CH7.7 U3_CH7.8 U3_CH7.9 U3_CH7.10 U3_CH7.11 U3_CH7.12 U3_CH8.1 U3_CH8.2 U3_CH8.3 U3_CH8.4 U3_CH8.5 U3_CH8.6 U3_CH8.7 U3_CH8.8 U3_CH8.9 U3_CH8.10 U3_CH8.11 U3_CH8.12 U3_CH9.1 U3_CH9.2 U3_CH9.3 U3_CH9.4 U3_CH9.5 U3_CH9.6 U3_CH9.7 U3_CH9.8 U3_CH9.9 U3_CH9.10 U3_CH9.11 U3_CH9.12 U3_CH10.1 U3_CH10.2 U3_CH10.3 U3_CH10.4 U3_CH10.5 U3_CH10.6 U3_CH10.7 U3_CH10.8 U3_CH10.9 U3_CH10.10 U3_CH10.11 U3_CH10.12 U3_CH11.1 U3_CH11.2 U3_CH11.3 U3_CH11.4 U3_CH11.5 U3_CH11.6 U3_CH11.7 U3_CH11.8 U3_CH11.9 U3_CH11.10 U3_CH11.11 U3_CH11.12 U3_CH12.1 U3_CH12.2 U3_CH12.3 U3_CH12.4 U3_CH12.5 U3_CH12.6 U3_CH12.7 U3_CH12.8 U3_CH12.9 U3_CH12.10 U3_CH12.11 U3_CH12.12 U3_CH13.1 U3_CH13.2 U3_CH13.3 U3_CH13.4 U3_CH13.5 U3_CH13.6 U3_CH13.7 U3_CH13.8 U3_CH13.9 U3_CH13.10 U3_CH13.11 U3_CH13.12 U3_CH14.1 U3_CH14.2 U3_CH14.3 U3_CH14.4 U3_CH14.5 U3_CH14.6 U3_CH14.7 U3_CH14.8 U3_CH14.9 U3_CH14.10 U3_CH14.11 U3_CH14.12 U3_CH15.1 U3_CH15.2 U3_CH15.3 U3_CH15.4 U3_CH15.5 U3_CH15.6 U3_CH15.7 U3_CH15.8 U3_CH15.9 U3_CH15.10 U3_CH15.11 U3_CH15.12 U3_CH16.1 U3_CH16.2 U3_CH16.3 U3_CH16.4 U3_CH16.5 U3_CH16.6 U3_CH16.7 U3_CH16.8 U3_CH16.9 U3_CH16.10 U3_CH16.11 U3_CH16.12 U3_CH17.1 U3_CH17.2 U3_CH17.3 U3_CH17.4 U3_CH17.5 U3_CH17.6 U3_CH17.7 U3_CH17.8 U3_CH17.9 U3_CH17.10 U3_CH17.11 U3_CH17.12 U3_CH18.1 U3_CH18.2 U3_CH18.3 U3_CH18.4 U3_CH18.5 U3_CH18.6 U3_CH18.7 U3_CH18.8 U3_CH18.9 U3_CH18.10 U3_CH18.11 U3_CH18.12 U3_CH19.1 U3_CH19.2 U3_CH19.3 U3_CH19.4 U3_CH19.5 U3_CH19.6 U3_CH19.7 U3_CH19.8 U3_CH19.9 U3_CH19.10 U3_CH19.11 U3_CH19.12 U3_CH20.1 U3_CH20.2 U3_CH20.3 U3_CH20.4 U3_CH20.5 U3_CH20.6 U3_CH20.7 U3_CH20.8 U3_CH20.9 U3_CH20.10 U3_CH20.11 U3_CH20.12 U3_CH21.1 U3_CH21.2 U3_CH21.3 U3_CH21.4 U3_CH21.5 U3_CH21.6 U3_CH21.7 U3_CH21.8 U3_CH21.9 U3_CH21.10 U3_CH21.11 U3_CH21.12 U3_CH22.1 U3_CH22.2 U3_CH22.3 U3_CH22.4 U3_CH22.5 U3_CH22.6 U3_CH22.7 U3_CH22.8 U3_CH22.9 U3_CH22.10 U3_CH22.11 U3_CH22.12 U3_CH23.1 U3_CH23.2 U3_CH23.3 U3_CH23.4 U3_CH23.5 U3_CH23.6 U3_CH23.7 U3_CH23.8 U3_CH23.9 U3_CH23.10 U3_CH23.11 U3_CH23.12 U3_CH24.1 U3_CH24.2 U3_CH24.3 U3_CH24.4 U3_CH24.5 U3_CH24.6 U3_CH24.7 U3_CH24.8 U3_CH24.9 U3_CH24.10 U3_CH24.11 U3_CH24.12 U3_CH25.1 U3_CH25.2 U3_CH25.3 U3_CH25.4 U3_CH25.5 U3_CH25.6 U3_CH25.7 U3_CH25.8 U3_CH25.9 U3_CH25.10 U3_CH25.11 U3_CH25.12 U14_AVDD.1 U14_AVDD.2 U14_AVDD.3 U14_AVDD.4 U14_AVDD.5 U14_AVDD.6 U14_AVDD.7 U14_AVDD.8 U14_AVDD.9 U14_DVDD.1 U14_DVDD.2 U14_DVDD.3 U14_DVDD.4 U14_DVDD.5 U14_DVDD.6 U14_DVDD.7 U14_DVDD.8 U14_DVDD.9